# Altium PCB pcb_75.PcbDoc
Units mil, origin at the board's own origin, x right, y up, seen from the top; angles counter-clockwise.
Board outline 2952.76 x 2952.76 mil, 2 copper layers (Top Layer, Bottom Layer); 67 components, 24 nets, 163 pads, 167 vias.
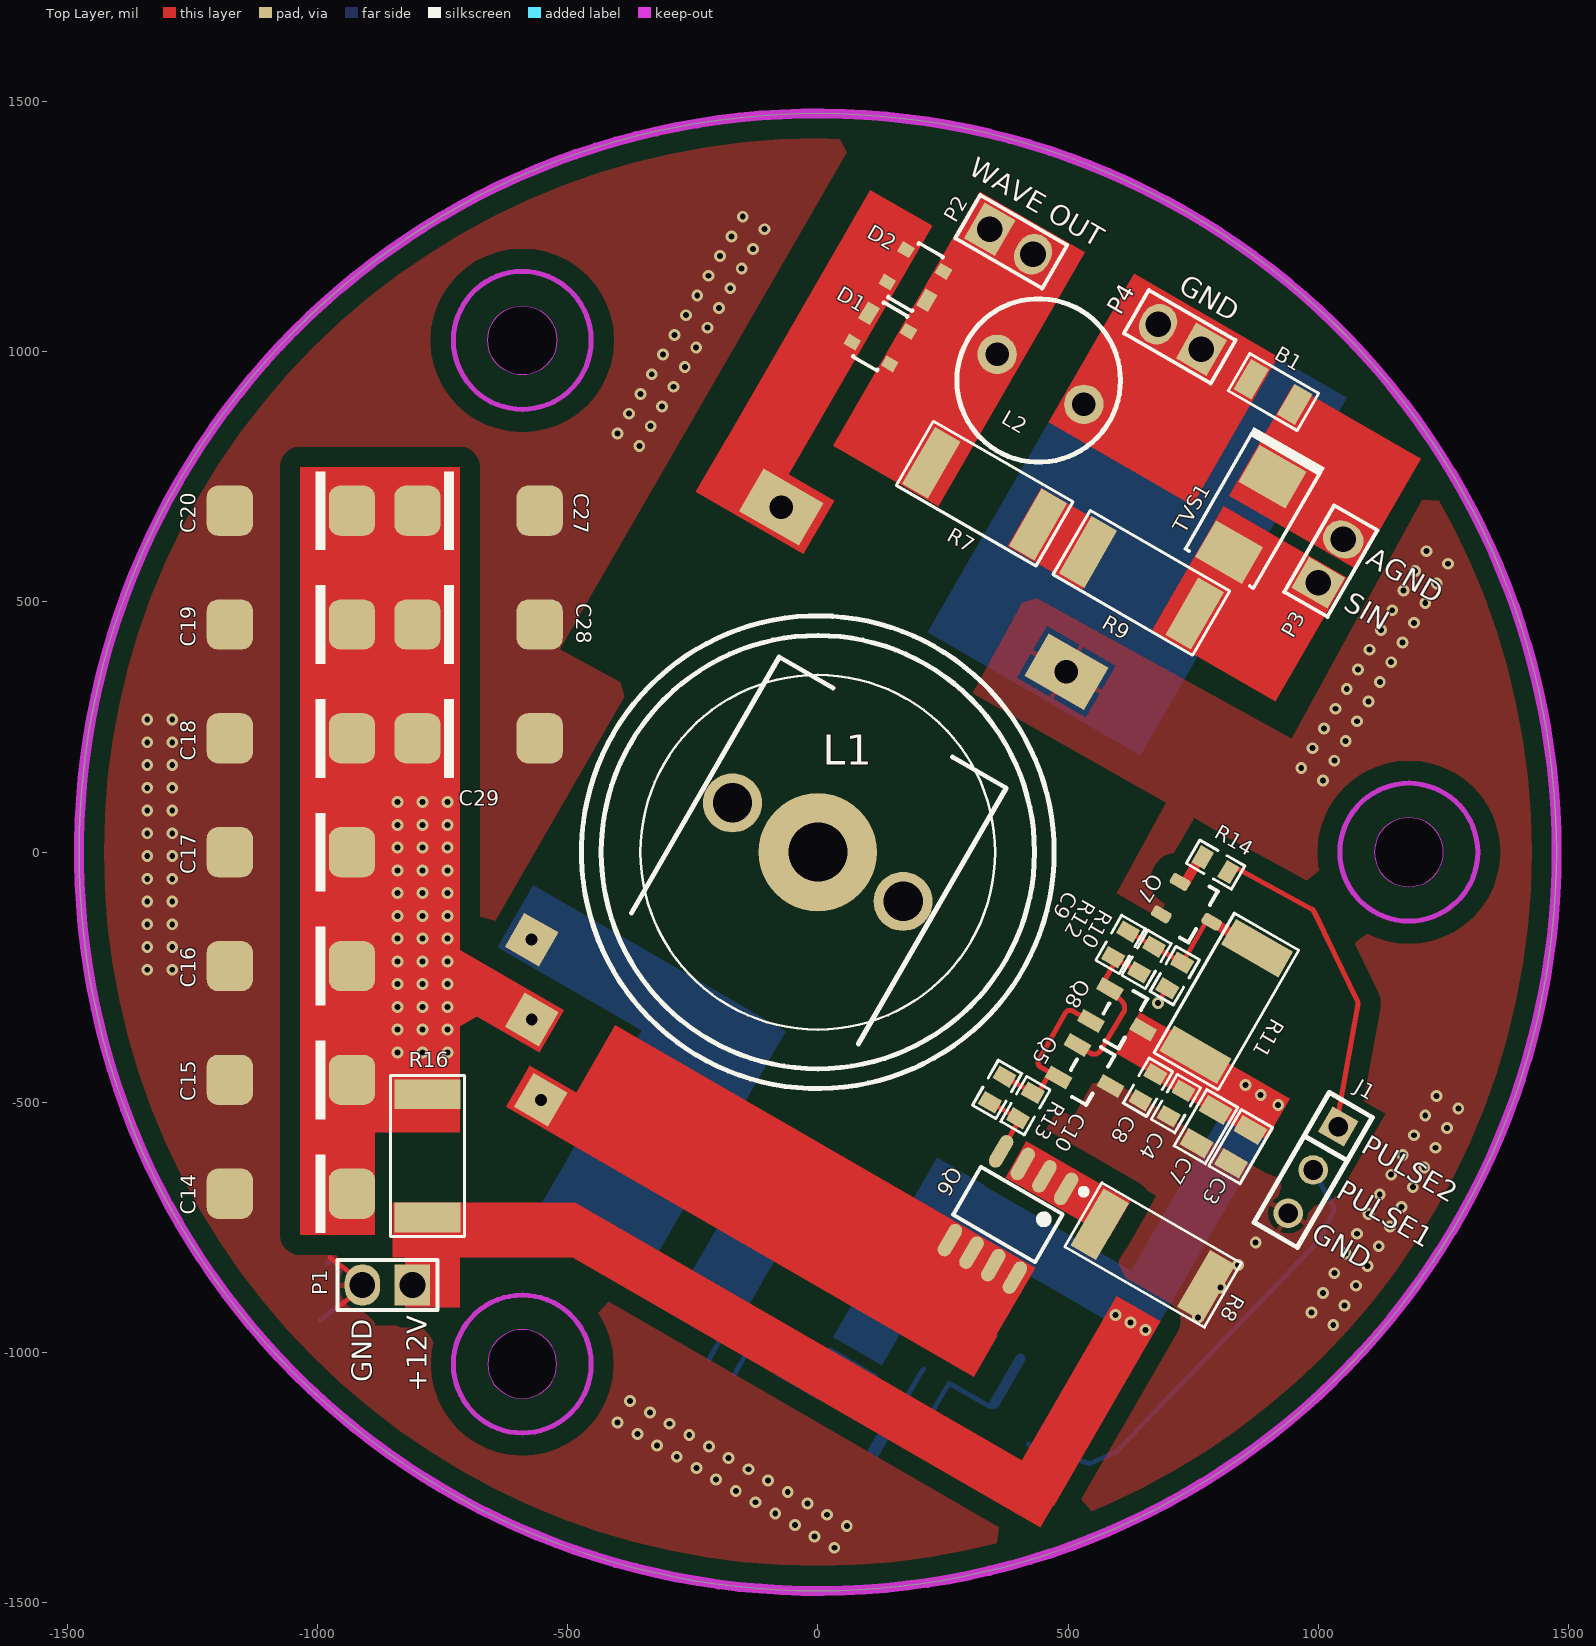
[diagram p0: Top Layer view]
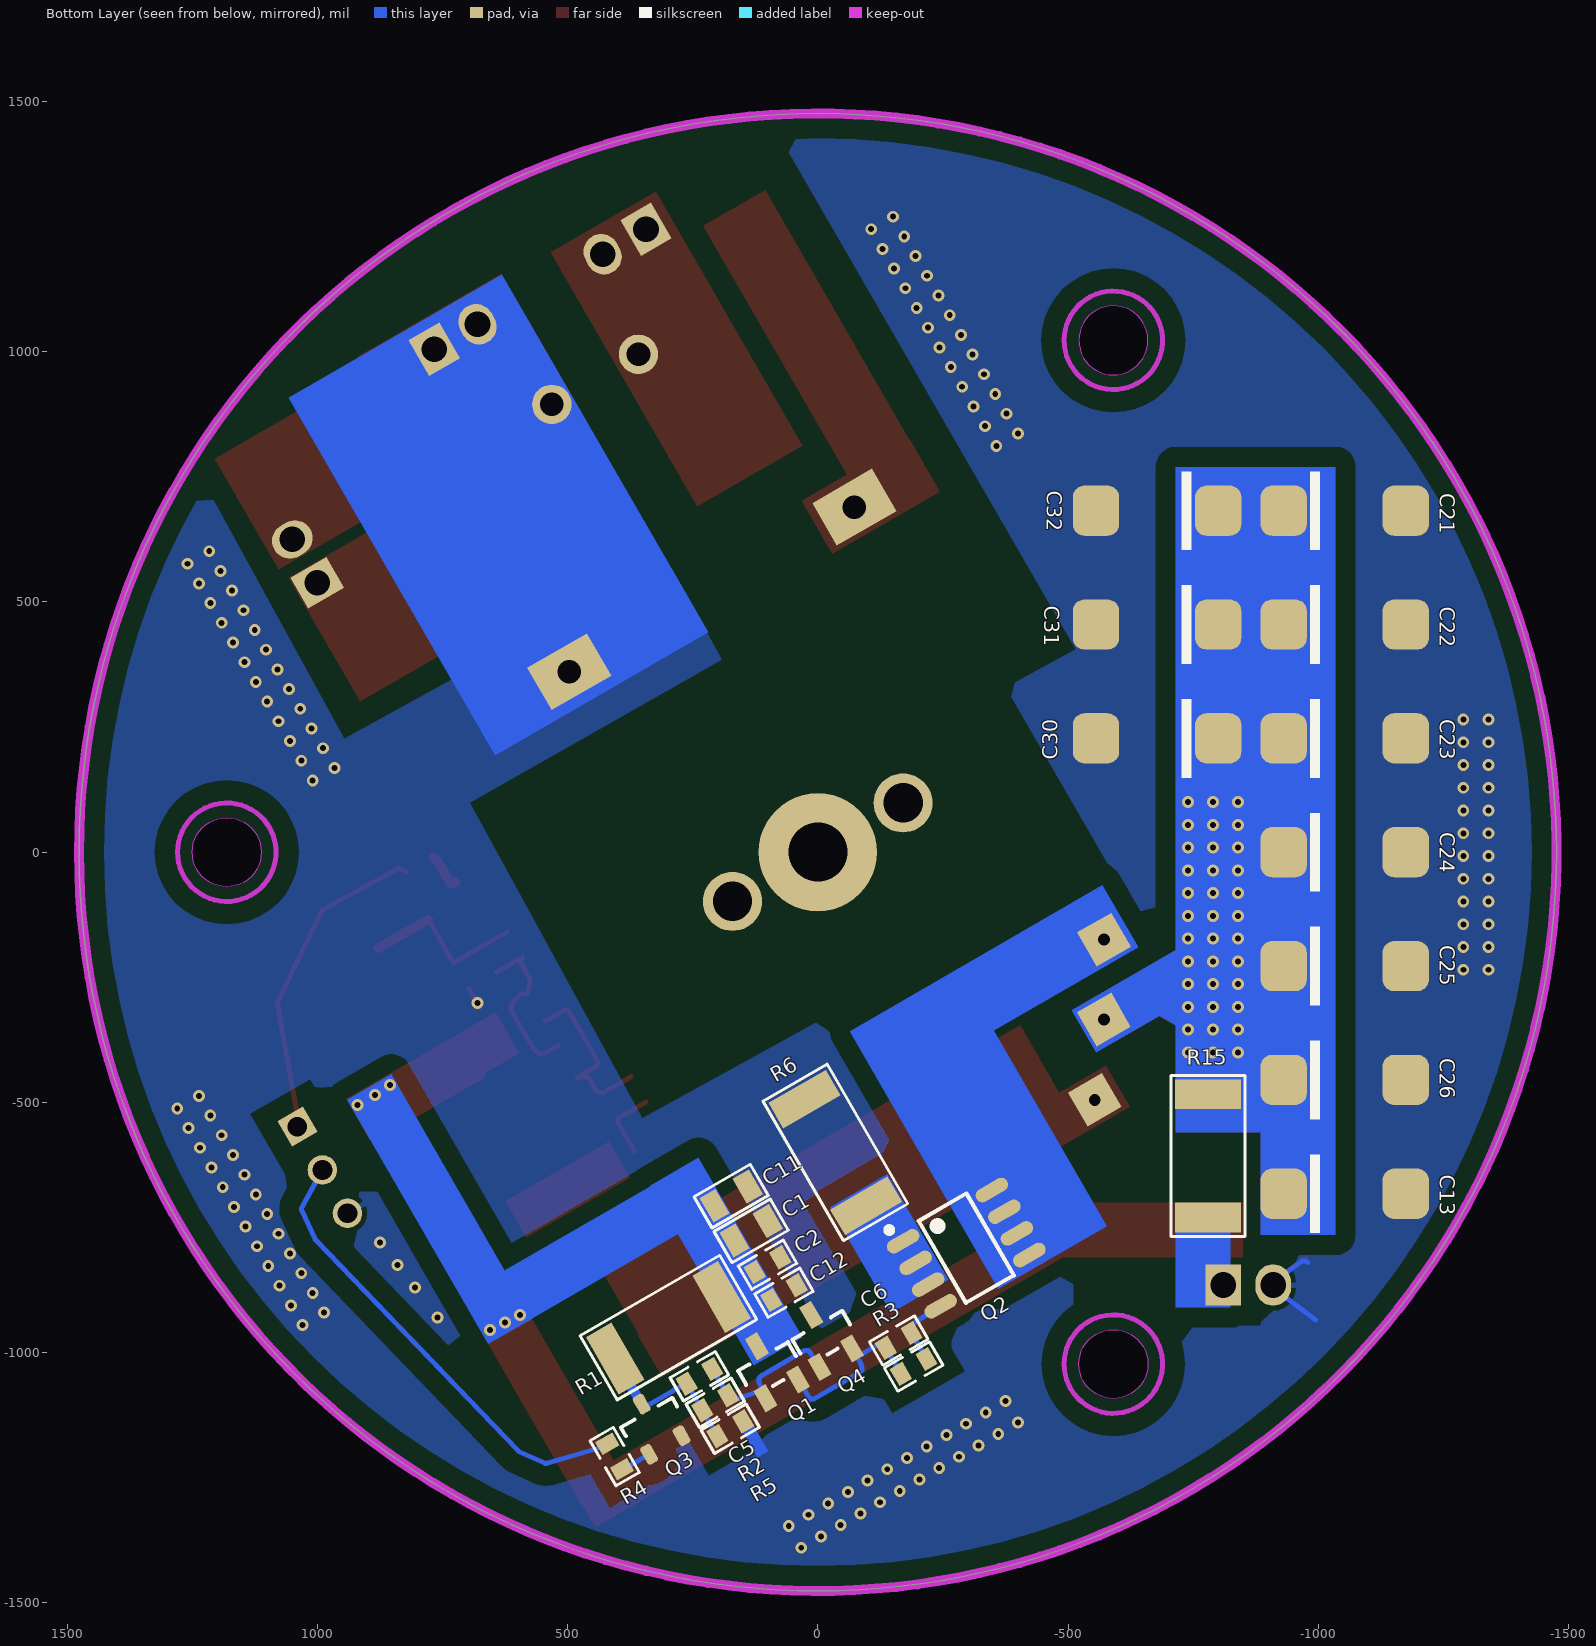
[diagram p1: Bottom Layer view, seen from below]
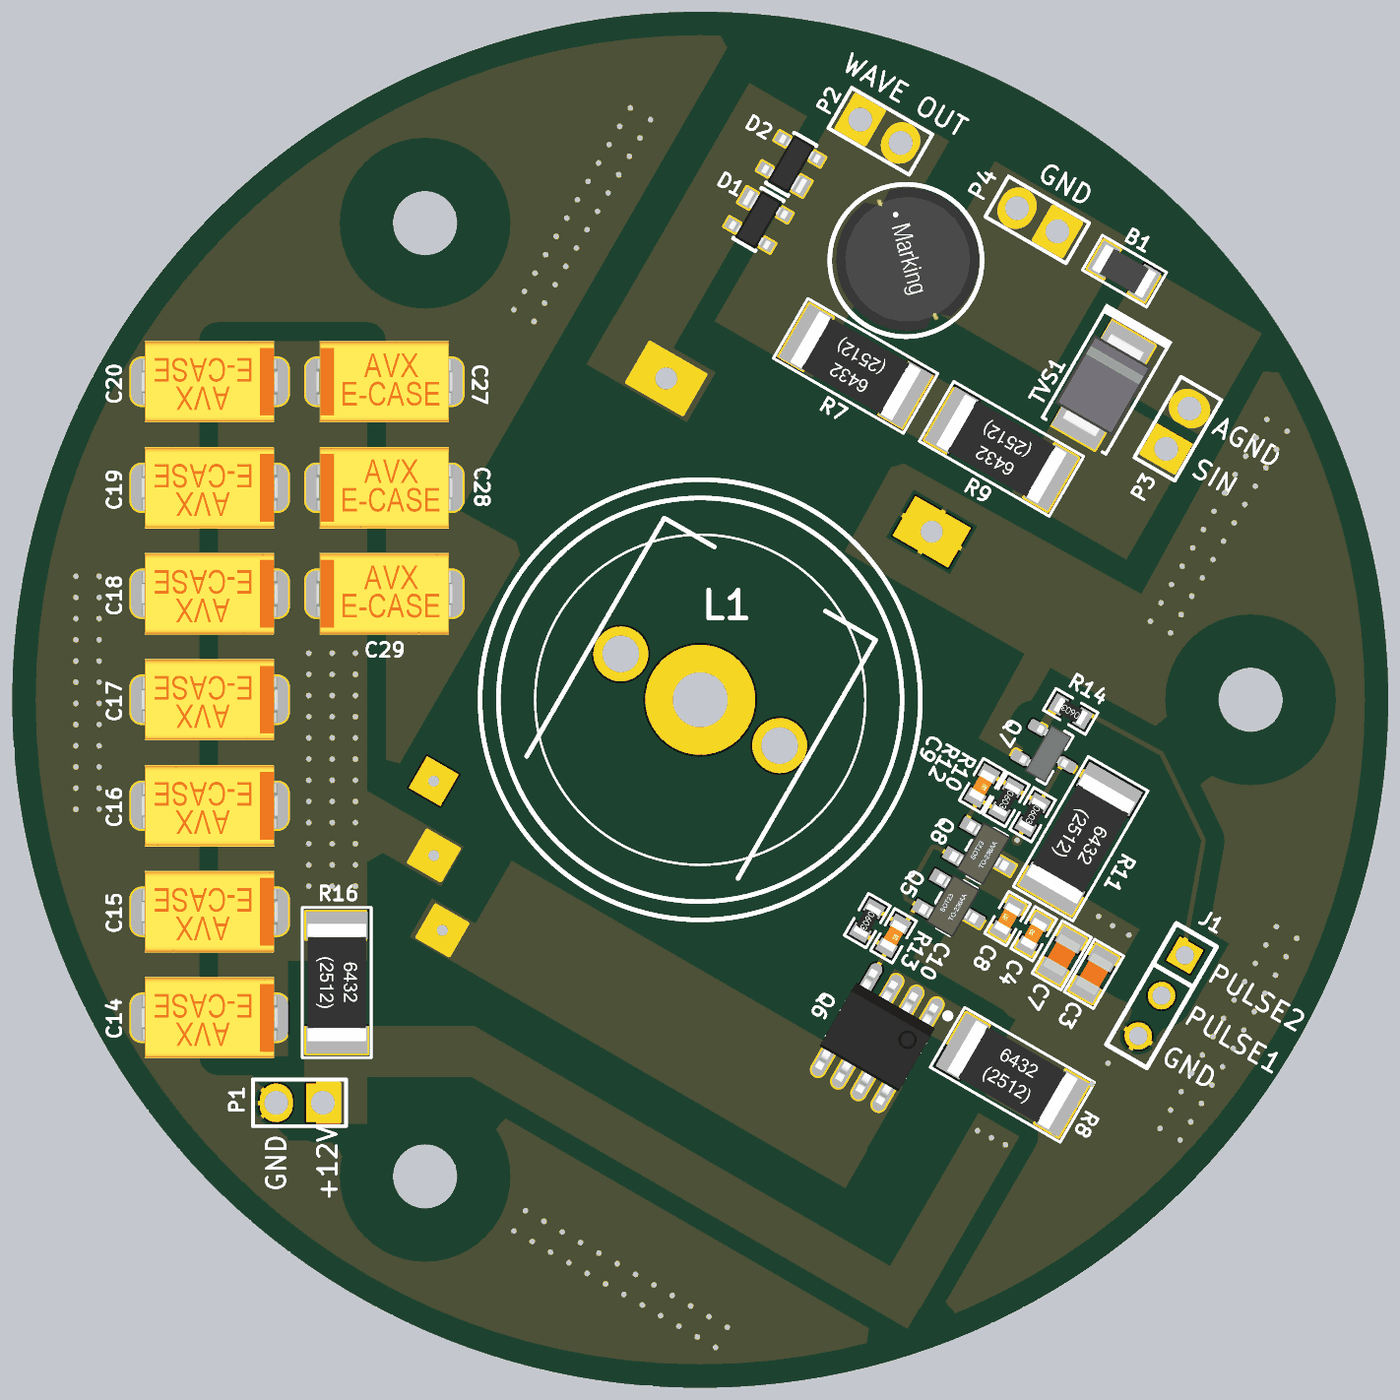
[diagram p2: 3D render of the assembled board from above, using the file's embedded part models]
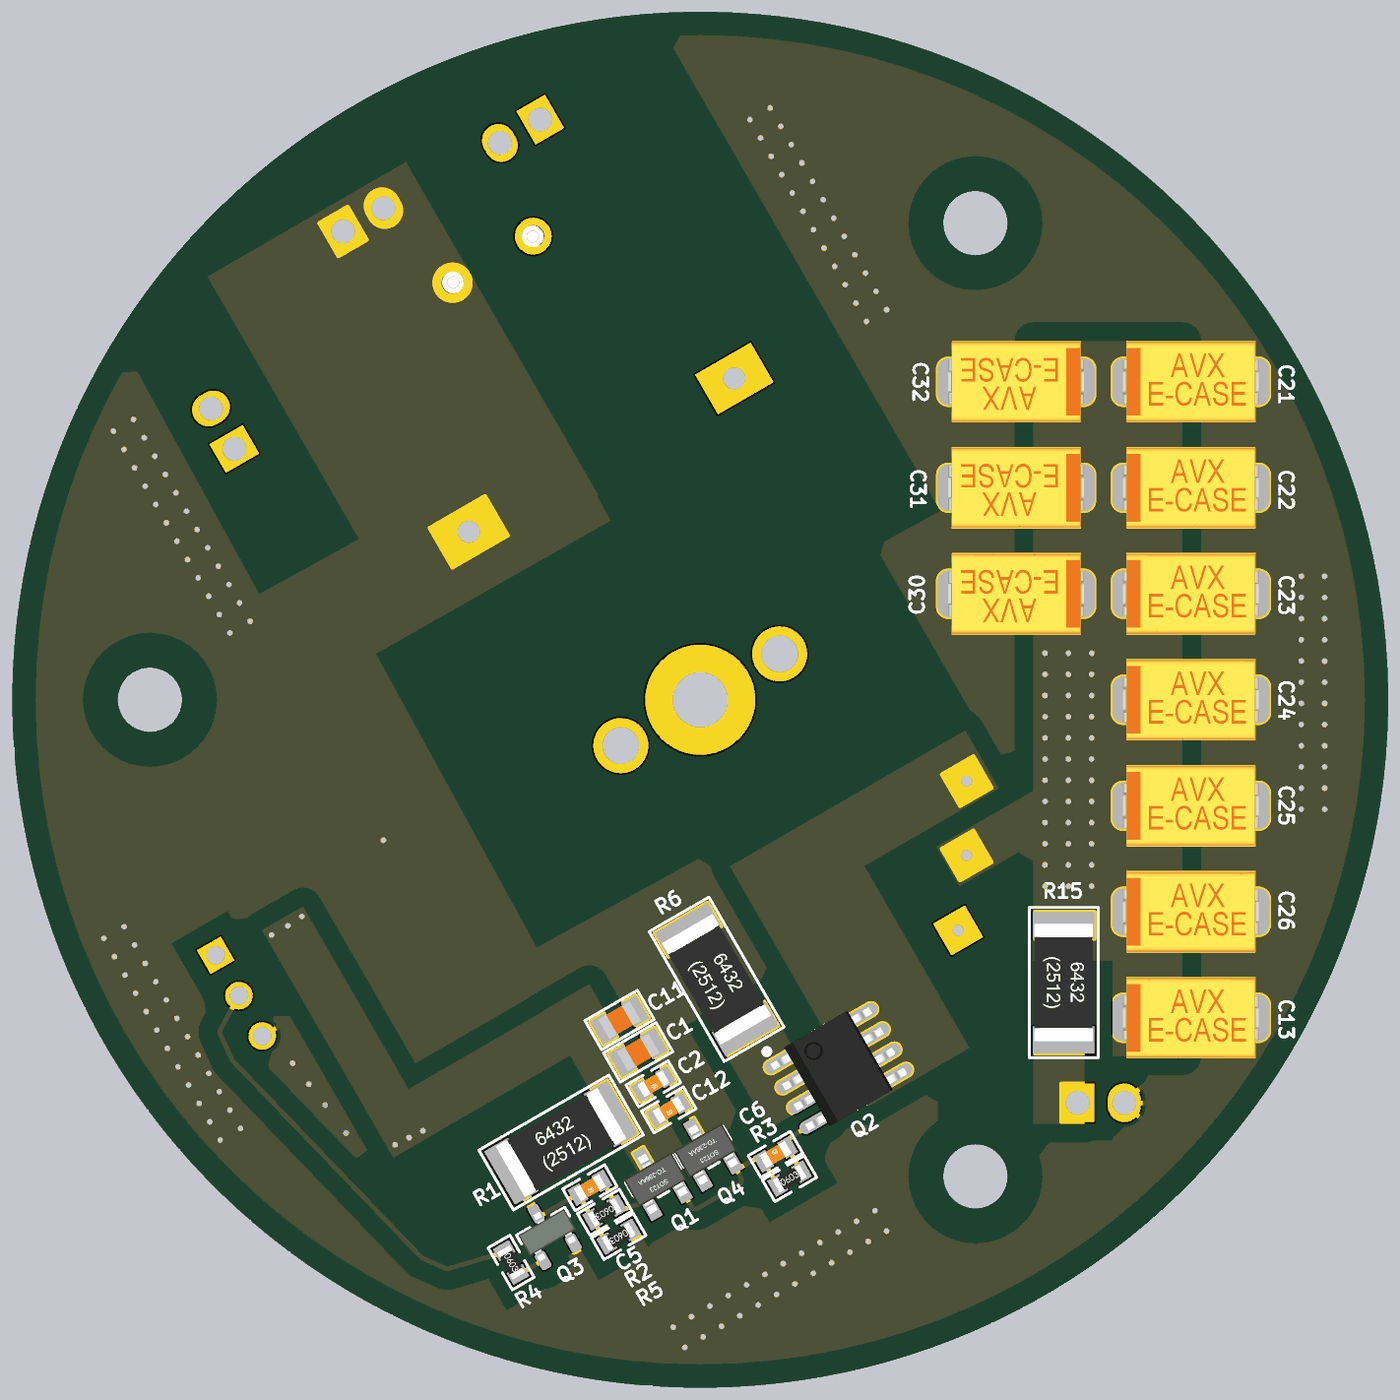
[diagram p3: 3D render of the assembled board from below, using the file's embedded part models]

## Layer stack, top to bottom
Top Solder: solder mask 0.4, Solder Resist, Dk 3.5
Top Layer: signal copper 1.4
Dielectric 1: dielectric 12.6, FR-4, Dk 4.8
Bottom Layer: signal copper 1.4
Bottom Solder: solder mask 0.4, Solder Resist, Dk 3.5

## Board outline
-1476.38,0 ccw(c0,0) 0,-1476.38 ccw(c0,0) 1476.38,0 ccw(c0,0) 0,1476.38 ccw(c0,0)
cut-out: 1112.2,0 ccw(c1181.1,0) 1181.1,-68.9 ccw(c1181.1,0) 1250,0 ccw(c1181.1,0) 1181.1,68.9 ccw(c1181.1,0)
cut-out: -590.55,953.97 cw(c-590.55,1022.86) -659.45,1022.86 cw(c-590.55,1022.86) -590.55,1091.76 cw(c-590.55,1022.86) -521.65,1022.86 cw(c-590.55,1022.86)
cut-out: -659.45,-1022.86 ccw(c-590.55,-1022.86) -590.55,-1091.76 ccw(c-590.55,-1022.86) -521.65,-1022.86 ccw(c-590.55,-1022.86) -590.55,-953.97 ccw(c-590.55,-1022.86)

## Design rules (kind name [scope] priority, off if disabled: settings)
Clearance Clearance_1 [InNet('GND')] p1: gap=10 ignorepadtopadclearanceinfootprint=FALSE except(0: Arc-Hole Track-Hole SMDPad-Hole THPad-Hole Via-Hole Fill-Hole Poly-Hole Region-Hole Text-Hole; 20: Arc-Fill Track-Fill SMDPad-Fill THPad-Fill Via-Fill Fill-Fill; 40: Arc-Poly Arc-Region Track-Poly Track-Region SMDPad-Poly SMDPad-Region THPad-Poly THPad-Region Via-Poly Via-Region Fill-Poly Fill-Region Poly-Poly Poly-Region Region-Region)
Clearance [All] p2: gap=10 ignorepadtopadclearanceinfootprint=FALSE except(0: Arc-Hole Track-Hole SMDPad-Hole THPad-Hole Via-Hole Fill-Hole Poly-Hole Region-Hole Text-Hole)
ComponentClearance [All] p1: gap=0 collisioncheckmode=3 verticalgap=0 showdistances=FALSE
HoleSize [All] p1: absolutevalues=TRUE maxlimit=787.4 minlimit=7.87 maxpercent=80.000 minpercent=20.000
MinimumSolderMaskSliver [All] p1: minsoldermaskwidth=0
PolygonConnect [All] p1: thpad.connectstyle=Relief thpad.reliefconductorwidth=10 thpad.reliefentries=4 thpad.polygonreliefangle="90 Angle" thpad.airgapwidth=10 smdpad.connectstyle=Direct smdpad.reliefconductorwidth=10 smdpad.reliefentries=4 smdpad.polygonreliefangle="90 Angle" smdpad.airgapwidth=10 via.connectstyle=Direct via.reliefconductorwidth=10 via.reliefentries=4 via.polygonreliefangle="90 Angle" via.airgapwidth=10
RoomDefinition UTMtrans [InComponentClass('UTMtrans')] p1: confinementstyle=ConfineIn formatcopy=TRUE lockcomponents=FALSE outline -1230,-1275 1125,-1275 1125,1320 -1230,1320
RoutingVias [All] p1: holewidth=11.81 width=23.62 viastyle="Through Hole" minholewidth=7.87 minwidth=17.72 maxholewidth=236.22 maxwidth=236.22
SilkToSilkClearance [All] p1: silktosilkclearance=0
SilkToSolderMaskClearance [IsPad] p1: minsilkscreentomaskgap=0 clearancetoexposedcopper=TRUE
SolderMaskExpansion [All] p1: expansion=4 istentingtop=FALSE
Width [All] p1: maxlimit=100 minlimit=6 preferedwidth=10
25 further rules are at their usual default settings.

## Components (designator, comment, footprint, x,y, rotation, side; value= is the part's Value field where it differs from the comment)
B1 "1kΩ @ 100MHz" R1206_L 910,920 r330 top
C1 "3.3uF" R0805_C 133.27,-756.6 r330 bottom
C2 "100nF" R0603_C 100.51,-824.29 r330 bottom
C3 "3.3uF" R0805_C 845.12,-588.41 r60 top
C4 "100nF" R0603_C 715.88,-502.25 r60 top
C5 "100pF" R0603_C 236.77,-1047.32 r330 bottom
C6 "100pF" R0603_C -161.63,-975.78 r150 bottom
C7 "3.3uF" R0805_C 775.84,-548.41 r60 top
C8 "100nF" R0603_C 659.59,-469.75 r60 top
C9 "100pF" R0603_C 605.05,-184.22 r240 top
C10 "100pF" R0603_C 414.82,-506.48 r240 top
C11 "3.3uF" R0805_C 173.27,-687.32 r330 bottom
C12 "100nF" R0603_C 67.6,-880.34 r330 bottom
C13 "47uF" CASE-E_7343 -1052.95,-682.5 r180 bottom
C14 "47uF" CASE-E_7343 -1052.95,-682.5 r180 top
C15 "47uF" CASE-E_7343 -1052.95,-455 r180 top
C16 "47uF" CASE-E_7343 -1052.95,-227.5 r180 top
C17 "47uF" CASE-E_7343 -1052.95,0 r180 top
C18 "47uF" CASE-E_7343 -1052.95,227.5 r180 top
C19 "47uF" CASE-E_7343 -1052.95,455 r180 top
C20 "47uF" CASE-E_7343 -1052.95,682.5 r180 top
C21 "47uF" CASE-E_7343 -1052.95,682.5 r180 bottom
C22 "47uF" CASE-E_7343 -1052.95,455 r180 bottom
C23 "47uF" CASE-E_7343 -1052.95,227.5 r180 bottom
C24 "47uF" CASE-E_7343 -1052.95,0 r180 bottom
C25 "47uF" CASE-E_7343 -1052.95,-227.5 r180 bottom
C26 "47uF" CASE-E_7343 -1052.95,-455 r180 bottom
C27 "47uF" CASE-E_7343 -677.95,682.5 r0 top
C28 "47uF" CASE-E_7343 -677.95,455 r0 top
C29 "47uF" CASE-E_7343 -677.95,227.5 r0 top
C30 "47uF" CASE-E_7343 -677.95,227.5 r0 bottom
C31 "47uF" CASE-E_7343 -677.95,455 r0 bottom
C32 "47uF" CASE-E_7343 -677.95,682.5 r0 bottom
D1 "BAS28" SOT143 125,1030 r240 top
D2 "BAS28" SOT143 195,1150 r60 top
J1 "HEADER3/2.54" SIP3/2.54 1040,-548.4 r240 top
L1 "TRANSFORM" TRANS5 0,0 r60 top
L2 "470uH" CD0.254 445,945 r150 top
P1 "Header 2" CP1X2 -810,-865 r180 top
P2 "Header 2" CP1X2 343.4,1245 r330 top
P3 "Header 2" CP1X2 1000,538.4 r60 top
P4 "Header 2" CP1X2 766.6,1005 r150 top
Q1 "MMBT3904LT3G" SOT-23(SOT-23-3) 96.69,-1029.92 r240 bottom
Q2 "IRF7807ZTRPBF" SOP-8_150mil -296.67,-791.27 r240 bottom
Q3 "FDV301N" SOT-23 328.41,-1143.8 r60 bottom
Q4 "MMBT3906TT1G" SOT-23(SOT-23-3) -11.54,-967.44 r240 bottom
Q5 "MMBT3906TT1G" SOT-23(SOT-23-3) 542.5,-442.56 r150 top
Q6 "IRF7807ZTRPBF" SOP-8_150mil 380,-724.02 r150 top
Q7 "FDV301N" SOT-23 746.05,-115.52 r330 top
Q8 "MMBT3904LT3G" SOT-23(SOT-23-3) 607.5,-329.98 r150 top
R1 "750R" R2512_R 298.62,-950.21 r150 bottom
R2 "1R" R0603_R 204.98,-1100.2 r330 bottom
R3 "1R" R0603_R -191.63,-1027.75 r150 bottom
R4 "1R" R0603_R 405.92,-1207.76 r240 bottom
R5 "1M" R0603_R 174.96,-1152.17 r330 bottom
R6 "0.5R" R2512_R -35,-600 r240 bottom
R7 "330R" R2512_R 333.45,716.52 r150 top
R8 "0.5R" R2512_R 670,-805 r330 top
R9 "330R" R2512_R 646.55,538.48 r150 top
R10 "1M" R0603_R 713.3,-246.72 r240 top
R11 "750R" R2512_R 816.38,-298.19 r240 top
R12 "1R" R0603_R 657.01,-214.22 r240 top
R13 "1R" R0603_R 358.53,-473.98 r240 top
R14 "1R" R0603_R 795,-25 r150 top
R15 "150R" R2512_R -780,-606.97 r270 bottom
R16 "150R" R2512_R -780,-606.97 r270 top
TVS1 "SMBJ5.0CA" SMB 865,675 r240 top

## Footprints (in the part's own frame and the unit in brackets; to place one, negate y for a bottom-side part, rotate by r counter-clockwise, add the part's x,y. Pads: shape width x height; smd on the part's side, far side on the other; paste and mask are expansions set on the pad)
CASE-E_7343 [mm] "CAPMP7343X430A2N"
  rrect50% 2.351x2.551 smd: 1(-3.1,0) 2(3.1,0)
  silkscreen extent -1.75,-2 -1.25,2, body extent -3.7,-2.23 3.7,2.22, height 4.2
CD0.254 [mm]
  round 2 hole 1.2: 1(-2.54,0) 2(2.54,0)
  silkscreen extent -4.1,-4.05 4.2,4.24, body extent -5.52,-5.52 5.52,5.52, height 9.3
CP1X2 [mm]
  rect 1.8x2.1 hole 1.3: 1(0,0)
  oval 1.8x2.1 hole 1.3: 2(2.54,0)
  silkscreen extent -1.27,-1.27 3.81,1.27
R0603_C [mm]
  rect 0.75x1 smd: 1(-0.75,0) 2(0.75,0)
  silkscreen extent -1.32,-0.69 1.32,0.69, body extent -0.8,-0.4 0.8,0.4, height 0.3
R0603_R [mm]
  rect 0.75x1 smd: 1(-0.75,0) 2(0.75,0)
  silkscreen extent -1.32,-0.69 1.32,0.69, body extent -0.85,-0.4 0.85,0.4, height 0.56
R0805_C [mm] "Chip Resistor; Body 80x50mil (2.0 x 1.3 mm)"
  rect 0.95x1.45 smd: 1(-0.975,0) 2(0.975,0)
  silkscreen extent -1.65,-0.91 1.65,0.91, body extent -1.1,-0.71 1.1,0.71, height 1.35
R1206_L [mm] "Chip Resistor; Body 120x60mil (3.2 x 1.6 mm )"
  rect 1.05x1.8 smd: 1(-1.275,0) 2(1.275,0)
  silkscreen extent -2.01,-1.09 2.03,1.09, body extent -1.6,-0.8 1.6,0.8, height 1.1
R2512_R [mm]
  rect 1.5x3.35 smd: 1(-3.125,0) 2(3.125,0)
  silkscreen extent -4.09,-1.88 4.09,1.88, body extent -3.2,-1.6 3.2,1.6, height 0.6
SIP3/2.54 [mm] "3 Leads,Pitch=2.54mm, 焊盘: 外径1.5mm,孔径1mm"
  rect 1.5x1.5 hole 1: 1(0,0)
  round 1.5 hole 1: 2(2.54,0) 3(5.08,0)
  silkscreen extent -1.27,-1.27 6.35,1.27
SMB [mil]
  rect 85x107.99 smd: 1(-87.01,0) 2(87.01,0)
  silkscreen extent -155,-82 125,82, body extent -106,-71 106,71, height 91
SOP-8_150mil [mm]
  oval 0.7x1.8 smd: 1(-1.905,-2.6) 2(-0.635,-2.6) 3(0.635,-2.6) 4(1.905,-2.6) 5(1.905,2.6) 6(0.635,2.6) 7(-0.635,2.6) 8(-1.905,2.6)
  silkscreen extent -2.9,-3.07 2.4,1.4, body extent -2.5,-3.1 2.5,3.1, height 1.75
SOT143 [mm]
  rect 1x0.7 smd: 1(-0.75,-1.1)
  rect 0.6x0.7 smd: 2(0.95,-1.1) 3(0.95,1.1) 4(-0.95,1.1)
  silkscreen extent -1.6,-0.73 1.57,0.7, body extent -1.46,-1.21 1.46,1.21, height 1
SOT-23 [mm]
  rrect50% 1x0.6 smd: 1(-1.2,0.95) 2(-1.2,-0.95) 3(1.2,0)
  silkscreen extent 0.2,-1.5 0.7,1.5, body extent -1.16,-1.45 1.21,1.45, height 1
SOT-23(SOT-23-3) [mm]
  rect 1.25x0.7 smd: 1(1.25,-0.95) 2(1.25,0.95) 3(-1.25,0)
  silkscreen extent -0.65,-1.46 0.9,1.46, body extent -1.5,-1.5 1.5,1.5, height 1.3
TRANS5 [mm]
  round 3 hole 2: 0(0,-5) 0(0,5)
  round 6 hole 3: 0(0,0)
  rect 2.5x3.5 hole 1.2: 1(14.241,10.363) 2(14.241,-6.35)
  rect 2x2 hole 0.6: 3(-11.106,10.363) 4(-14.614,8.331) 5(-17.916,5.889)
  silkscreen extent -12,-12 12,12, body extent -7.6,-10 7.6,10, height 11.85

## Part data
B1: library part 1kΩ@100MHz, "阻抗 @ 频率 1kΩ @ 100MHz  / 线路数 1  / 额定电流（最大） 2A  / 直流电阻（DCR）（最大） 120mΩ", 厂家=FH(风华), 型号=CBM321609U102T, 封装=1206, 类型=Bead, 订货编码=C139169
C1 C3 C7 C11: library part 3.3uF/0805/25V, "精度 ±10%  / 容值 3.3uF  / 额定电压 25V  / 温漂系数（介质材料) X7R", 厂家=TDK, 型号=CGA4J1X7R1E335KT0Y0E, 封装=0805, 类型=Capacitor, 订货编码=C409449
C2 C4 C8 C12: library part 100nF/0603/50V, "精度 ±10%  / 容值 100nF  / 额定电压 50V  / 温漂系数（介质材料) X7R", 厂家=FH(风华), 型号=0603B104K500NT, 封装=0603, 类型=Capacitor, 订货编码=C30926
C5 C6 C9 C10: library part 100pF/0603/50V, "精度 ±5%  / 容值 100pF  / 额定电压 50V  / 温漂系数（介质材料) C0G", 厂家=FH(风华), 型号=0603CG101J500NT, 封装=0603, 类型=Capacitor, 订货编码=C1635
C13 C14 C15 C16 C17 C18 C19 C20 C21 C22 C23 C24 C25 C26 C27 C28 C29 C30 C31 C32: library part "Cap Pol/47uF/35V", "钽电容  / 精度 ±10%  / 容值 47uF  / 额定电压 35V  / ESR串联电阻 900 mΩ @ 100kHz  / 工作温度 -55℃~125℃", 厂家=AVX, 型号=TAJE476K035RNJ, 封装=CASE-E_7343, 类型=钽电容, 订货编码=C7233
D1 D2: library part BAS28,215, "反向恢复时间（trr） 4ns  / 直流反向耐压（Vr） 100V  / 平均整流电流（Io） 150mA  / 正向压降（Vf） 1.25V @ 150mA", 厂家=CJ（江苏长电/长晶）, 型号=BAS28,215, 封装=SOT-143B, 类型=开关二极管, 订货编码=C182938
J1: "3pin,单排,2.54mm间距", System=Connector, 厂家=/, 型号=/, 封装=/, 类型=/, 订货编码=/
L1: "X", 厂家=X, 型号=X, 封装=X, 类型=TRANSFORM, 订货编码=X
L2: "工字电感  / 精度 ±10%  / 额定电流 380mA  / 直流电阻（内阻） 1 Ohm Max  / 电感值 470uH", 厂家=TDK, 型号=TSL0808RA-471KR38-PF, 封装=8.5*8.3, 类型=工字电感, 订货编码=C87595
P1 P2 P3 P4: "Header, 2-Pin", System=Connector, 厂家=/, 型号=/, 封装=/, 类型=/, 订货编码=/
Q1 Q8: "300mW  / 集电极电流Ic 200mA  / 集射极击穿电压Vce 40V  / 晶体管类型 NPN", 厂家=ON(安森美), 型号=MMBT3904LT3G, 封装=SOT23-3, 类型=NPN, 订货编码=C150052
Q2 Q6: "漏源电压（Vdss） 30V  / 连续漏极电流（Id）（25°C 时） 11A  / 栅源极阈值电压 2.25V @ 250uA  / 漏源导通电阻 13.8mΩ @ 11A,10V  / 最大功率耗散（Ta=25°C） 2.5W  / 类型 N沟道", 厂家=Infineon(英飞凌), 型号=IRF7807ZTRPBF, 封装=SOIC-8_150mil, 类型=MOS(场效应管), 订货编码=C169079
Q3 Q7: "漏源电压（Vdss） 25V  / 连续漏极电流（Id）（25°C 时） 220mA  / 栅源极阈值电压 1.06V @ 250uA  / 漏源导通电阻 4Ω @ 400mA,4.5V  / 最大功率耗散（Ta=25°C） 350mW  / 类型 N沟道", 厂家=ON(安森美), 型号=FDV301N, 封装=SOT-23-3, 类型=MOS(场效应管), 订货编码=C15310
Q4 Q5: "额定功率 200mW  / 集电极电流Ic 200mA  / 集射极击穿电压Vce 40V  / 晶体管类型 PNP", 厂家=ON(安森美), 型号=MMBT3906TT1G, 封装=SOT23-3, 类型=PNP, 订货编码=C82042
R1 R11: library part 750R/2512, "精度 ±1%  / 阻值 750Ω  / 温度系数 ±100ppm/℃  / 功率 1W", 厂家=UNI-ROYAL(厚声), 型号=CQ121WF7500T4E, 封装=2512, 类型=Resistor, 订货编码=C966230
R2 R3 R4 R12 R13 R14: library part 1R/0603, "±250ppm/℃  / 精度 ±1%  / 阻值 1Ω  / 功率 0.1W", 厂家=FH(风华), 型号=RS-03L1R00FT, 封装=0603, 类型=Resistor, 订货编码=C174300
R5 R10: library part 1M/0603, "阻值 1MΩ  / 精度 ±1%  / 温度系数 ±100ppm/℃  / 功率 0.1W", 厂家=FH(风华), 型号=RS-03K1004FT, 封装=0603, 类型=Resistor, 订货编码=C136593
R6 R8: library part 0.5R/2512, "温度系数 ±800ppm/℃  / 功率 1W  / 精度 ±1%  / 阻值 0.5Ω", 厂家=UNI-ROYAL(厚声), 型号=25121WF500LT4E, 封装=2512, 类型=Resistor, 订货编码=C27777
R7 R9: library part 330R/2512, "阻值 330Ω  / 精度 ±1%  / 温度系数 ±100ppm/℃  / 功率 1W", 厂家=UNI-ROYAL(厚声), 型号=AC2512FK-07330RL, 封装=2512, 类型=Resistor, 订货编码=C728177
R15 R16: library part 150R/2512, "功率 1W  / 精度 ±1%  / 温度系数 ±100ppm/℃  / 阻值 150Ω", 厂家=UNI-ROYAL(厚声), 型号=25121WF1500T4E, 封装=2512, 类型=Resistor, 订货编码=C474209
TVS1: "TVS二极管  / 极性 Bidirectional  / 峰值脉冲电流（10/1000us） 65.2A  / 箝位电压 9.2V  / 击穿电压（最小值） 6.4V  / 反向关断电压（典型值） 5V", 厂家=VISHAY(威世), 型号=SMBJ5.0CA-E3/52, 封装=SMB, 类型=TVS二极管, 订货编码=C91161

## Via types
v1: diameter 23.62, hole 11.81, Top Layer to Bottom Layer, tented both sides, 167 vias

## Nets (pads, with @x,y where several pads share a name; then routed paths per layer and width w, separated by ;. In a path a pad name is that pad's centre, name@x,y a point inside that pad or via, vN(x,y) a via of type N, cw(c..) or ccw(c..) an arc to the next point about the centre after c; other vN are vias at no path point)
+12V: C1.2 C2.2 C3.2 C4.2 C7.2 C8.2 C11.2 C12.2 P1.1 Q1.3 Q8.3 R1.2 R11.2 R15.2 R16.2 | length 1059.9
  Top Layer w10: 769.52,-447.48 785.29,-431.71 821.71,-431.71 837.48,-447.48 ; v1(855,-465) 837.48,-447.48 ; v1(885,-485) 847.48,-447.48 837.48,-447.48
  Top Layer w20: Q8.3 663.33,-360.91 702.51,-383.53 R11.2 ; C8.2 682.72,-449.07 C4.2 795.57,-514.22 848.8,-544.95 C3.2
  Bottom Layer w10: v1(595,-925) 755.45,-764.55 755.45,-669.55 v1(920,-505)
  other v1: 655,-955 625,-940
AGND: B1.2 P3.2 TVS1.1
GND: B1.1 C1.1 C2.1 C3.1 C4.1 C7.1 C8.1 C11.1 C12.1 C13.2 C14.2 C15.2 C16.2 C17.2 C18.2 C19.2 C20.2 C21.2 C22.2 C23.2 C24.2 C25.2 C26.2 C27.2 C28.2 C29.2 C30.2 C31.2 C32.2 J1.3 L1.2 L2.1 P1.2 P4.1 P4.2 Q3.2 Q4.3 Q5.3 Q7.2 R5.1 R6.1 R8.2 R10.2 | length 393.9
  Top Layer w10: -975,-810 -910,-859.09 P1.2 -910,-870.91 -960,-910 ; v1(680,-301.31) 685.04,-292.59 692.32,-279.98 R10.2
  Bottom Layer w10: -995,-935 -910,-870.91 P1.2 -910,-859.09 -965.07,-818.62 ; -980,-820 -975.47,-817.73 cw(c-971,-826.68) -965.11,-818.59
  other v1: 33.01,-1390 -6.35,-1367.27 58.01,-1346.7 -45.72,-1344.55 18.65,-1323.97 -85.08,-1321.82 -20.72,-1301.24 -124.45,-1299.09 -60.08,-1278.52 -163.81,-1276.36 -99.45,-1255.79 -203.18,-1253.64 -138.81,-1233.06 -242.54,-1230.91 -178.18,-1210.33 -281.91,-1208.18 -217.54,-1187.61 -321.27,-1185.45 -256.91,-1164.88 -360.64,-1162.73 -296.27,-1142.15 -400,-1140 -335.64,-1119.43 -375,-1096.7 1030,-945 760,-930 986.7,-920 1052.73,-905.64 1009.43,-880.64 805,-870 1075.45,-866.27 1032.15,-841.27 1098.18,-826.91 840,-825 1054.88,-801.91 1120.91,-787.54 875,-780 1077.61,-762.54 1143.64,-748.18 1100.33,-723.18 1166.36,-708.81 1123.06,-683.81 1189.09,-669.45 1145.79,-644.45 1211.82,-630.08 1168.52,-605.08 1234.55,-590.72 1191.24,-565.72 1257.27,-551.35 1213.97,-526.35 1280,-511.99 1236.7,-486.99 -1340,-235 -1290,-235 -1340,-189.55 -1290,-189.55 -1340,-144.09 -1290,-144.09 -1340,-98.64 -1290,-98.64 -1340,-53.18 -1290,-53.18 -1340,-7.73 -1290,-7.73 -1340,37.73 -1290,37.73 -1340,83.18 -1290,83.18 -1340,128.64 -1290,128.64 1009.44,143.49 966.14,168.49 -1340,174.09 -1290,174.09 1032.16,182.86 988.86,207.86 -1340,219.55 -1290,219.55 1054.89,222.22 1011.59,247.22 1077.62,261.59 -1340,265 -1290,265 1034.32,286.59 1100.35,300.95 1057.04,325.95 1123.07,340.32 1079.77,365.32 1145.8,379.68 1102.5,404.68 1168.53,419.05 1125.23,444.05 1191.25,458.41 1147.95,483.41 1213.98,497.78 1170.68,522.78 1236.71,537.14 1193.41,562.14 1259.44,576.51 1216.14,601.51 -356.7,811.99 -400,836.99 -333.97,851.35 -377.27,876.35 -311.24,890.72 -354.55,915.72 -288.52,930.08 -331.82,955.08 -265.79,969.45 -309.09,994.45 -243.06,1008.81 -286.36,1033.81 -220.33,1048.18 -263.64,1073.18 -197.61,1087.54 -240.91,1112.54 -174.88,1126.91 -218.18,1151.91 -152.15,1166.27 -195.45,1191.27 -129.43,1205.64 -172.73,1230.64 -106.7,1245 -150,1270
NetC5_1: C5.1 Q1.1 Q4.1 R2.1 | length 353.5
  Bottom Layer w10: Q4.1 7.66,-1012.71 14.78,-1000.39 15.43,-999.25 19.29,-995.39 26.16,-995.39 112.25,-1046.03 cw(c106.56,-1056.07) 116.89,-1061.2 Q1.1@105.15,-1084.79 ; Q1.1@104.72,-1108.41 104.49,-1091.25 121.88,-1078.65 163.61,-1093.27 R2.1 186.97,-1072.85 203.13,-1044.86 C5.1
NetC5_2: C5.2 Q3.3 R1.1 R2.2 R5.2 | length 315.2
  Bottom Layer w10: R5.2@208.01,-1154.27 230.66,-1115.03 254.18,-1074.3 262.36,-1062.07 271.28,-1066.13 342.65,-1107.33 Q3.3
  Bottom Layer w20: Q3.3 357.05,-1094.6 376.99,-1060.06 R1.1
NetC6_1: C6.1 Q1.2 Q4.2 R3.1 | length 352.2
  Bottom Layer w10: R3.1 -158.72,-1029.79 -143.41,-1003.27 C6.1 -120.88,-983.78 -85.95,-1003.94 Q4.2 -78.29,-1008.37 -84.49,-1019.12 ; -84.5,-1019.13 ccw(c-75.83,-1024.12) -85.33,-1021 -87.66,-1027.99 -88.18,-1029.53 -88.18,-1035.3 -84.33,-1039.14 7.28,-1092.58 14.13,-1092.58 17.99,-1088.72 18.65,-1087.58 28.71,-1070.15 28.91,-1069.86 Q1.2@39.71,-1053.85
NetC6_2: C6.2 Q2.4 R3.2 | length 145.3
  Bottom Layer w10: Q2.4 -226.77,-918.23 -188.32,-943.42 C6.2 -194.55,-973.74 -209.86,-1000.26 R3.2
NetC9_1: C9.1 Q7.3 R10.1 R11.1 R12.1 | length 338.4
  Top Layer w10: C9.1 628.2,-163.5 R12.1 719.68,-216.31 R10.1 730.86,-217.26 Q7.3@777.81,-135.95
  Top Layer w20: Q7.3@777.81,-135.95 Q7.3 795.35,-143.98 829.44,-163.67 R11.1
NetC9_2: C9.2 Q5.1 Q8.1 R12.2 | length 333
  Top Layer w10: Q5.1 543.7,-401.1 ccw(c551.99,-387.69) 565.5,-395.84 ccw(c551.99,-387.69) 565.55,-395.75 612.5,-317.5 612.84,-315.8 612.92,-315.38 ccw(c593.31,-311.45) 607.78,-297.65 594.34,-283.56 580.35,-281.94 575.3,-261.23 575.02,-260.07 575.02,-257.97 575.3,-256.4 575.3,-252.52 592.62,-222.51 592.62,-218.52 592.28,-217.25 591.3,-213.57 C9.2 ; C9.2@595.07,-212.56 633.86,-234.95 R12.2
NetC10_1: C10.1 Q5.2 Q8.2 R13.1 | length 359.4
  Top Layer w10: R13.1 386.01,-455.75 416.87,-473.57 C10.1 442.95,-477.35 459.81,-448.15 Q5.2 464.34,-440.4 444.23,-428.78 440.81,-425.36 440.26,-420.24 440.26,-417.05 495.69,-320.04 496.64,-319.09 499.57,-316.16 507.01,-316.16 511.66,-318.84 533.09,-331.22 533.63,-331.49 Q8.2
NetC10_2: C10.2 Q6.4 R13.2 | length 139.6
  Top Layer w10: R13.2 356.48,-506.9 387.34,-524.71 C10.2 398.3,-542.32 377.06,-579.12 Q6.4
NetC13_1: C13.1 C14.1 C15.1 C16.1 C17.1 C18.1 C19.1 C20.1 C21.1 C22.1 C23.1 C24.1 C25.1 C26.1 C27.1 C28.1 C29.1 C30.1 C31.1 C32.1 L1.4 R15.1 R16.1
  other v1: -840,-400 -790,-400 -740,-400 -840,-354.55 -790,-354.55 -740,-354.55 -840,-309.09 -790,-309.09 -740,-309.09 -840,-263.64 -790,-263.64 -740,-263.64 -840,-218.18 -790,-218.18 -740,-218.18 -840,-172.73 -790,-172.73 -740,-172.73 -840,-127.27 -790,-127.27 -740,-127.27 -840,-81.82 -790,-81.82 -740,-81.82 -840,-36.36 -790,-36.36 -740,-36.36 -840,9.09 -790,9.09 -740,9.09 -840,54.55 -790,54.55 -740,54.55 -840,100 -790,100 -740,100
NetD1_1: D1.1 D1.2 D2.3 D2.4 L1.1
NetD1_3: D1.3 D1.4 D2.1 D2.2 L2.2 P2.1 P2.2 R7.2
NetL1_3: L1.3 Q2.5 Q2.6 Q2.7 Q2.8
NetL1_5: L1.5 Q6.5 Q6.6 Q6.7 Q6.8
NetP3_1: P3.1 R9.1 TVS1.2
NetQ2_1: Q2.1 Q2.2 Q2.3 R6.2
NetQ3_1: Q3.1 R4.2 | length 61.7
  Bottom Layer w10: Q3.1 342.35,-1206.28 377.95,-1226.84 R4.2
NetQ6_1: Q6.1 Q6.2 Q6.3 R8.1
NetQ7_1: Q7.1 R14.2 | length 74.6
  Top Layer w20: Q7.1 733.13,-62.78 760.46,-16.24 R14.2
NetR7_1: R7.1 R9.2
PULSE1: J1.2 R4.1 | length 931.9
  Bottom Layer w10: R4.1 421.18,-1183.09 421.87,-1184.34 424.69,-1187.17 539.87,-1220.8 541.24,-1221.2 544.79,-1221.2 597.11,-1197.95 598.5,-1196.56 598.57,-1196.49 1003.28,-774.91 1004.44,-773.7 1031.31,-715.49 1031.31,-710.74 1030.09,-708.5 J1.2
PULSE2: J1.1 R14.1 | length 662.3
  Top Layer w10: R14.1 836.37,-31.93 846.61,-37.49 892.25,-62.25 987.37,-113.87 cw(c982.6,-122.65) 991.58,-118.25 ; 991.6,-118.29 1032.35,-202.35 1078.93,-298.42 1079.93,-300.49 1079.93,-303.68 1034.85,-554.15 1032.01,-557 1031.27,-557.51 J1.1@1030,-558.4
pads on no net: L1.0

## Polygon pours and split planes (outlines as drawn)
GND on Bottom Layer "Bottom Layer-No Net" (solid, remove dead copper, pour order 0): -1476.38,0 ccw(c0,0) 0,-1476.38 ccw(c0,0) 1476.38,0 ccw(c0,0) 0,1476.38 ccw(c0,0)
GND on Top Layer "Top Layer-No Net" (solid, remove dead copper, pour order 1): -1476.38,0 ccw(c0,0) 0,-1476.38 ccw(c0,0) 1476.38,0 ccw(c0,0) 0,1476.38 ccw(c0,0)

## Keep-outs
Top Layer:
  circle w10: c-590.55,1022.87 r137.8
  circle w10: c-590.55,-1022.87 r137.8
  circle w10: c1181.1,0 r137.8
Bottom Layer:
  circle w10: c-590.55,-1022.87 r98.43
  circle w10: c-590.55,1022.87 r98.43
  circle w10: c1181.1,0 r98.43
Keep-Out Layer:
  circle w20: c0,0 r1476.38

## Other copper
Top Layer:
  rectangle net +12V: -850,-810 -485,-700
  region net +12V: 493.96,-1265.2 -485,-700 -533.96,-784.8 445,-1350
  region net +12V: 471.66,-1306.94 685.04,-937.34 597.05,-886.54 383.67,-1256.14
  region net +12V: 943.39,-492.79 643.35,-319.56 595.65,-402.17 895.69,-575.4
  region net +12V: -715,-910 -715,-700 -825,-700 -825,-910
  region net NetC13_1: -865.87,-435.55 -637.22,-303.54 -684.36,-221.89 -913.01,-353.9
  region net NetC13_1: -507.03,-315.22 -735.68,-183.21 -784.99,-268.61 -556.34,-400.62
  region net NetC13_1: -885,-550 -1035,-550 -1035,-765 -885,-765
  rectangle net NetC13_1: -1035,-560 -715,770
  region net NetL1_5: 435,-830 -404.66,-345.22 -529.52,-561.49 310.14,-1046.27
  region net NetL1_5: 359.14,-965.86 -575.93,-425.99 -623.65,-508.65 311.42,-1048.52
  region net NetQ6_1: 625.22,-697.65 416.77,-577.3 374.63,-650.29 583.08,-770.65
  region net GND: 920.09,990.05 632.3,1156.2 460.5,858.64 748.29,692.48
  region net AGND: 1205.53,786.18 949.91,933.77 821.81,711.9 1077.44,564.31
  region net NetP3_1: 1057.94,549.02 810.66,691.79 667.22,443.36 914.51,300.59
  region net NetR7_1: 528.17,524.87 595.47,641.43 446.16,727.63 378.86,611.07
  region net NetD1_1: -28.5,595.63 33.21,702.52 -182.62,827.13 -244.34,720.24
  region net NetD1_3: 30.52,812.43 241.14,690.83 534.48,1198.9 323.86,1320.51
  region net NetD1_1: -242.83,721.27 -118.5,649.49 229.43,1252.12 105.1,1323.9
  pour cut-out: -661.43,-165.85 -211.59,613.3 695.99,98.54 270.65,-678.15
  pour cut-out: -515.28,405.61 167.98,1589.06 807.16,1226.54 155.65,36.85
  pour cut-out: 403.6,525.54 806.38,1223.18 1329.68,926.37 946.71,227.04
Bottom Layer:
  region net GND: 157.5,-1145.05 135.85,-1132.55 98.35,-1197.5 120,-1210
  rectangle net +12V: -825,-910 -715,-705
  region net +12V: 127.84,-1025.96 335.51,-666.27 238.28,-610.14 30.61,-969.83
  region net +12V: 714.35,-886.49 300.83,-647.74 245.3,-743.93 658.82,-982.67
  region net +12V: 658.51,-983.01 940.64,-494.34 852.39,-443.38 570.25,-932.05
  region net NetC13_1: -697.44,-227.38 -926.09,-359.39 -878.95,-441.04 -650.3,-309.03
  region net NetC13_1: -507.03,-315.22 -735.68,-183.21 -784.99,-268.61 -556.34,-400.62
  rectangle net NetC13_1: -1035,-765 -885,-550
  region net NetC13_1: -715,770 -1035,770 -1035,-560 -715,-560
  region net NetL1_3: -63.73,-357.18 -568.79,-65.59 -640.75,-190.23 -135.69,-481.82
  region net NetL1_3: -360.91,-872.72 -64.27,-358.93 -281.23,-233.67 -577.87,-747.46
  region net NetQ2_1: -146.51,-921.19 -24.2,-709.33 -139.35,-642.85 -261.67,-854.7
  region net GND: 644.69,193.05 1057.67,908.35 631.67,1154.3 218.69,439
  pour cut-out: -860,-515 -510,-510 -510,-925 -860,-930
  pour cut-out: -515.28,405.61 167.98,1589.06 689.8,1293.1 37.43,101.83
  pour cut-out: 299.36,582.83 702.93,1281.85 1329.68,926.37 946.71,227.04
  pour cut-out: -577.98,-21.3 -211.59,613.3 695.99,98.54 350.81,-531.78

## Silkscreen, mask and mechanical layers (free items; w line width, h text height)
Top Overlay:
  circle w5: c0,0 r354.33
  text "WAVE OUT" at 298.2,1357.2 h40 r330
  text "GND" at 718.2,1122.2 h40 r330
  text "AGND" at 1093.2,577.2 h40 r330
  text "SIN" at 1048.2,487.2 h40 r330
  text "PULSE2" at 1083.2,-597.8 h40 r330
  text "PULSE1" at 1033.2,-687.8 h40 r330
  text "GND" at 983.2,-772.8 h40 r330
  text "GND" at -891,-1059 h40 r90
  text "+12V" at -781,-1079 h40 r90
Mechanical 1:
  circle w5: c-590.55,-1022.86 r68.9
  circle w5: c-590.55,1022.86 r68.9
  circle w5: c1181.1,0 r68.9
  circle w5: c0,0 r1476.38